# KiCad board motordecoder2-K3057.kicad_pcb (continued)
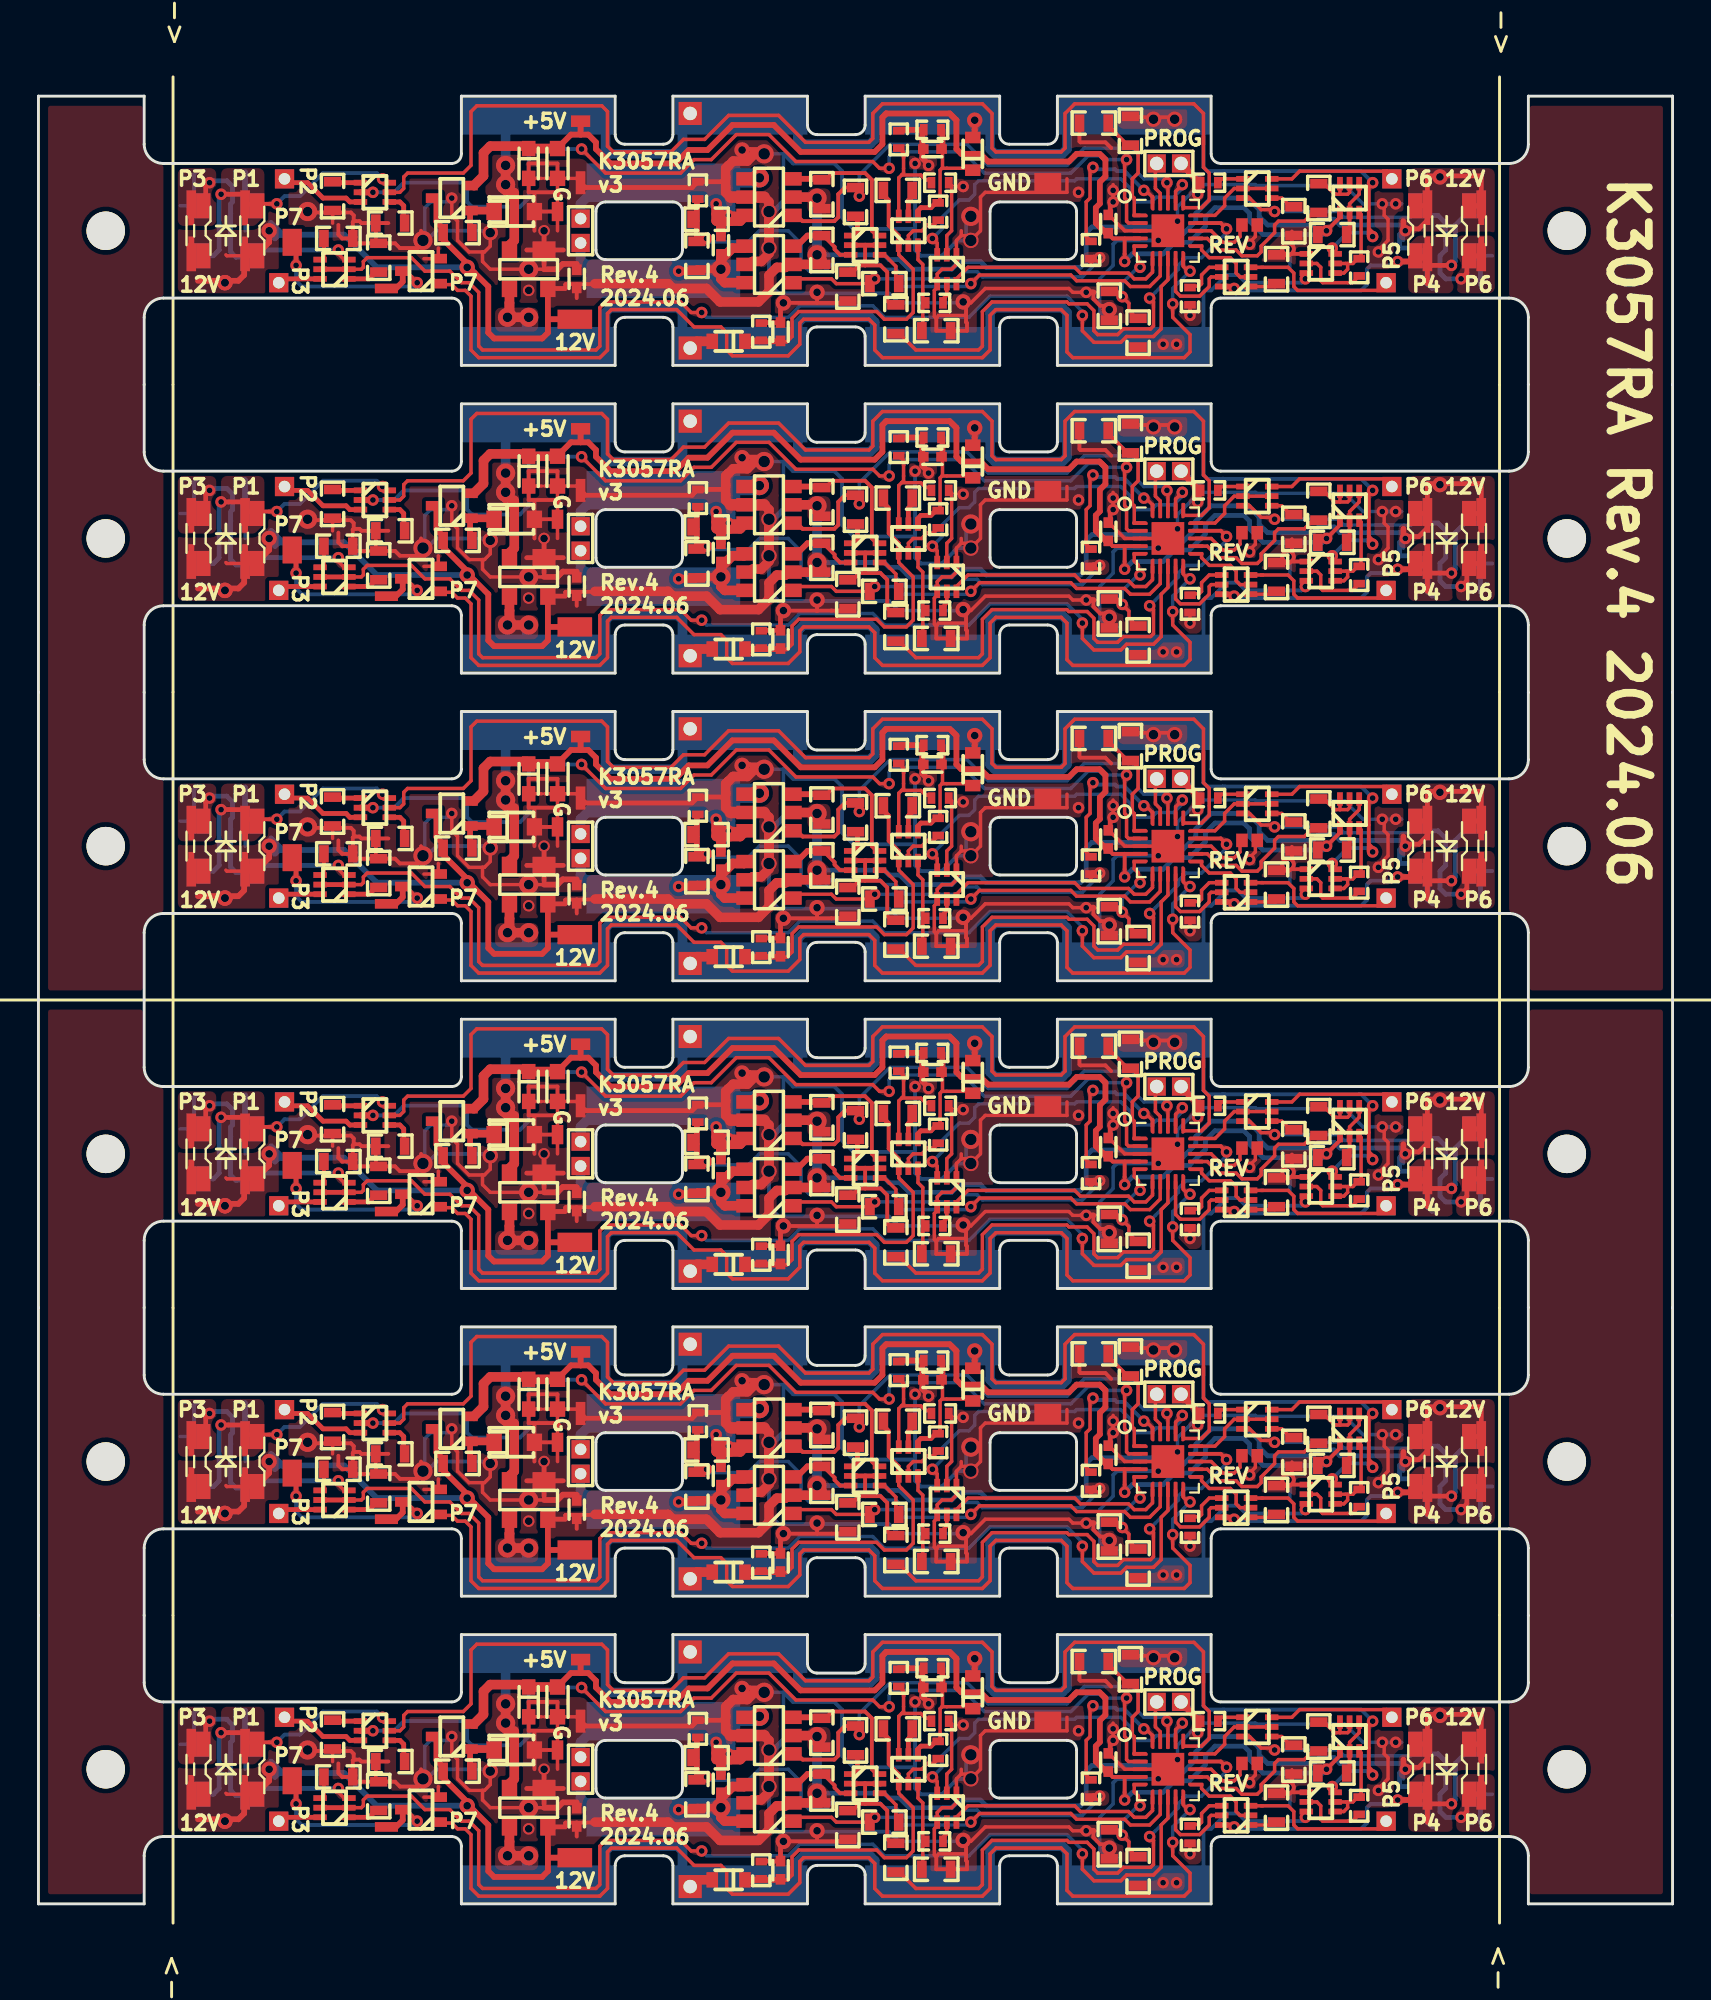
[diagram p0: board, top side]
## Placement (name value [footprint] x y rotation side) (continued)
P80  TEST  [PAD_2mm_2PIN_HOLE0.6]  28.2 39 270 top
P81  TEST  [PAD_1.2x1.2_Hole0.7]  33.9 45.1 0 top
P82  TEST  [PAD_1.2x1.2_Hole0.7]  33.9 32.9 0 top
P83  PAD  [PAD_1.0x1.8_SMD]  27.9 18.4 270 top
P84  PAD  [PAD_0.6x1.0_SMD]  27 24 0 top
P85  PROG  [PAD_PROG_2PIN_HOLE0.7]  58.8 26.5 0 top
P86  PAD  [PAD_0.6x1.0_SMD]  28.2 28.7 90 top
P87  PAD  [PAD_0.5x1.2_SMD]  28.2 25.5 0 top
P88  PAD  [PAD_1.0x1.4_SMD]  52.5 25.5 90 top
P89  PAD  [KATO_RAILPAD_3057_8mm]  26 29 0 top
P90  PAD  [KATO_RAILPAD_3057_7mm]  36.5 29 0 top
P91  PAD  [KATO_RAILPAD_3057_7mm]  46.5 29 0 top
P92  PAD  [KATO_RAILPAD_3057_8mm]  57 29 0 top
P93  PAD  [KATO_RAILPAD_3057_8mm]  26 17 0 top
P94  PAD  [KATO_RAILPAD_3057_7mm]  36.5 17 0 top
P95  PAD  [KATO_RAILPAD_3057_7mm]  46.5 17 0 top
P96  PAD  [KATO_RAILPAD_3057_8mm]  57 17 0 top
P97  PAD  [KATO_RAILPAD_3057_8mm]  32.5 25.5 0 top
P98  PAD  [KATO_RAILPAD_3057_8mm]  32.5 20.5 0 top
P99  TEST  [PAD_2mm_2PIN_HOLE0.6]  28.2 23 270 top
P100  TEST  [PAD_1.2x1.2_Hole0.7]  33.9 29.1 0 top
P101  TEST  [PAD_1.2x1.2_Hole0.7]  33.9 16.9 0 top
P102  PAD  [PAD_1.0x1.8_SMD]  27.9 2.4 270 top
P103  PAD  [PAD_0.6x1.0_SMD]  27 8 0 top
P104  PROG  [PAD_PROG_2PIN_HOLE0.7]  58.8 10.5 0 top
P105  PAD  [PAD_0.6x1.0_SMD]  28.2 12.7 90 top
P106  PAD  [PAD_0.5x1.2_SMD]  28.2 9.5 0 top
P107  PAD  [PAD_1.0x1.4_SMD]  52.5 9.5 90 top
P108  PAD  [KATO_RAILPAD_3057_8mm]  26 13 0 top
P109  PAD  [KATO_RAILPAD_3057_7mm]  36.5 13 0 top
P110  PAD  [KATO_RAILPAD_3057_7mm]  46.5 13 0 top
P111  PAD  [KATO_RAILPAD_3057_8mm]  57 13 0 top
P112  PAD  [KATO_RAILPAD_3057_8mm]  26 1 0 top
P113  PAD  [KATO_RAILPAD_3057_7mm]  36.5 1 0 top
P114  PAD  [KATO_RAILPAD_3057_7mm]  46.5 1 0 top
P115  PAD  [KATO_RAILPAD_3057_8mm]  57 1 0 top
P116  PAD  [KATO_RAILPAD_3057_8mm]  32.5 9.5 0 top
P117  PAD  [KATO_RAILPAD_3057_8mm]  32.5 4.5 0 top
P118  TEST  [PAD_2mm_2PIN_HOLE0.6]  28.2 7 270 top
P119  TEST  [PAD_1.2x1.2_Hole0.7]  33.9 13.1 0 top
P120  TEST  [PAD_1.2x1.2_Hole0.7]  33.9 0.9 0 top
Q1  DMG6601LVT  [SOT-23-6]  38 88.75 90 top
Q2  DMG6601LVT  [SOT-23-6]  38 85.25 90 top
Q3  PMBT3904VS  [SOT-666-nomark]  43 86.25 0 top
Q4  DMG6601LVT  [SOT-23-6]  38 72.75 90 top
Q5  2SC4116  [SC-70_v2]  21.5 88.7 90 top
Q6  PMBT3906VS  [SOT-666-nomark]  68.2 88.7 90 top
Q7  DMG6601LVT  [SOT-23-6]  38 69.25 90 top
Q8  PMBT3904VS  [SOT-666-nomark]  66.7 85.3 0 top
Q9  PMBT3904VS  [SOT-666-nomark]  43 70.25 0 top
Q10  2SC4116  [SC-70_v2]  21.5 72.7 90 top
Q11  SSM6N7002BFE  [SOT-666-nomark]  17.5 89 0 top
Q12  SSM6N7002BFE  [SOT-666-nomark]  62.3 84.6 180 top
Q13  SSM6N7002BFE  [SOT-666-nomark]  15.4 85 180 top
Q14  SSM6N7002BFE  [SOT-666-nomark]  63.4 89.2 0 top
Q15  SSM3K7002BFU  [SC-70_v2]  19.9 84.9 90 top
Q16  PMBT3906VS  [SOT-666-nomark]  68.2 72.7 90 top
Q17  PMBT3904VS  [SOT-666-nomark]  66.7 69.3 0 top
Q18  SSM6N7002BFE  [SOT-666-nomark]  17.5 73 0 top
Q19  SSM6N7002BFE  [SOT-666-nomark]  62.3 68.6 180 top
Q20  SSM6N7002BFE  [SOT-666-nomark]  15.4 69 180 top
Q21  PMBT3906VS  [SOT-666-nomark]  45.25 87 90 top
Q22  SSM6N7002BFE  [SOT-666-nomark]  47.25 85 270 top
Q23  SSM6N7002BFE  [SOT-666-nomark]  63.4 73.2 0 top
Q24  SSM3K7002BFU  [SC-70_v2]  19.9 68.9 90 top
Q25  PMBT3906VS  [SOT-666-nomark]  45.25 71 90 top
Q26  SSM6N7002BFE  [SOT-666-nomark]  47.25 69 270 top
Q27  DMG6601LVT  [SOT-23-6]  38 56.75 90 top
Q28  DMG6601LVT  [SOT-23-6]  38 53.25 90 top
Q29  PMBT3904VS  [SOT-666-nomark]  43 54.25 0 top
Q30  2SC4116  [SC-70_v2]  21.5 56.7 90 top
Q31  PMBT3906VS  [SOT-666-nomark]  68.2 56.7 90 top
Q32  PMBT3904VS  [SOT-666-nomark]  66.7 53.3 0 top
Q33  SSM6N7002BFE  [SOT-666-nomark]  17.5 57 0 top
Q34  SSM6N7002BFE  [SOT-666-nomark]  62.3 52.6 180 top
Q35  SSM6N7002BFE  [SOT-666-nomark]  15.4 53 180 top
Q36  SSM6N7002BFE  [SOT-666-nomark]  63.4 57.2 0 top
Q37  SSM3K7002BFU  [SC-70_v2]  19.9 52.9 90 top
Q38  PMBT3906VS  [SOT-666-nomark]  45.25 55 90 top
Q39  SSM6N7002BFE  [SOT-666-nomark]  47.25 53 270 top
Q40  DMG6601LVT  [SOT-23-6]  38 40.75 90 top
Q41  DMG6601LVT  [SOT-23-6]  38 37.25 90 top
Q42  PMBT3904VS  [SOT-666-nomark]  43 38.25 0 top
Q43  2SC4116  [SC-70_v2]  21.5 40.7 90 top
Q44  PMBT3906VS  [SOT-666-nomark]  68.2 40.7 90 top
Q45  PMBT3904VS  [SOT-666-nomark]  66.7 37.3 0 top
Q46  SSM6N7002BFE  [SOT-666-nomark]  17.5 41 0 top
Q47  SSM6N7002BFE  [SOT-666-nomark]  62.3 36.6 180 top
Q48  SSM6N7002BFE  [SOT-666-nomark]  15.4 37 180 top
Q49  SSM6N7002BFE  [SOT-666-nomark]  63.4 41.2 0 top
Q50  SSM3K7002BFU  [SC-70_v2]  19.9 36.9 90 top
Q51  PMBT3906VS  [SOT-666-nomark]  45.25 39 90 top
Q52  SSM6N7002BFE  [SOT-666-nomark]  47.25 37 270 top
Q53  DMG6601LVT  [SOT-23-6]  38 24.75 90 top
Q54  DMG6601LVT  [SOT-23-6]  38 21.25 90 top
Q55  PMBT3904VS  [SOT-666-nomark]  43 22.25 0 top
Q56  2SC4116  [SC-70_v2]  21.5 24.7 90 top
Q57  PMBT3906VS  [SOT-666-nomark]  68.2 24.7 90 top
Q58  PMBT3904VS  [SOT-666-nomark]  66.7 21.3 0 top
Q59  SSM6N7002BFE  [SOT-666-nomark]  17.5 25 0 top
Q60  SSM6N7002BFE  [SOT-666-nomark]  62.3 20.6 180 top
Q61  SSM6N7002BFE  [SOT-666-nomark]  15.4 21 180 top
Q62  SSM6N7002BFE  [SOT-666-nomark]  63.4 25.2 0 top
Q63  SSM3K7002BFU  [SC-70_v2]  19.9 20.9 90 top
Q64  PMBT3906VS  [SOT-666-nomark]  45.25 23 90 top
Q65  SSM6N7002BFE  [SOT-666-nomark]  47.25 21 270 top
Q66  DMG6601LVT  [SOT-23-6]  38 8.75 90 top
Q67  DMG6601LVT  [SOT-23-6]  38 5.25 90 top
Q68  PMBT3904VS  [SOT-666-nomark]  43 6.25 0 top
Q69  2SC4116  [SC-70_v2]  21.5 8.7 90 top
Q70  PMBT3906VS  [SOT-666-nomark]  68.2 8.7 90 top
Q71  PMBT3904VS  [SOT-666-nomark]  66.7 5.3 0 top
Q72  SSM6N7002BFE  [SOT-666-nomark]  17.5 9 0 top
Q73  SSM6N7002BFE  [SOT-666-nomark]  62.3 4.6 180 top
Q74  SSM6N7002BFE  [SOT-666-nomark]  15.4 5 180 top
Q75  SSM6N7002BFE  [SOT-666-nomark]  63.4 9.2 0 top
Q76  SSM3K7002BFU  [SC-70_v2]  19.9 4.9 90 top
Q77  PMBT3906VS  [SOT-666-nomark]  45.25 7 90 top
Q78  SSM6N7002BFE  [SOT-666-nomark]  47.25 5 270 top
R1  104  [R_1608_20240411]  56.8 92.2 270 top
R2  104  [R_1608_20240411]  57.2 81.7 90 top
R3  102  [R_1608_20240411]  40.75 88.9 90 top
R4  102  [R_1608_20240411]  40.75 86 90 top
R5  331  [R_1608_20240411]  42.5 88.5 90 top
R6  331  [R_1608_20240411]  44 84.25 180 top
R7  102  [R_1608_20240411]  44.6 82.4 90 top
R8  102  [R_1608_20240411]  42.1 84.1 270 top
R9  103  [R_1608_20240411]  34.75 87.6 0 top
R10  103  [R_1608_20240411]  34.25 85.7 270 top
R11  102  [R_1005_20240411]  54.75 86 270 top
R12  472  [R_1608_20240411]  21.8 86.9 0 top
R13  103  [R_1608_20240411]  66.6 88.7 270 top
R14  220  [R_1608_20240411]  67.3 86.8 180 top
R15  682  [R_1005_20240411]  68.7 85.1 270 top
R16  103  [R_1005_20240411]  34.3 89.1 90 top
R17  104  [R_1608_20240411]  54.9 92.6 180 top
R18  104  [R_1608_20240411]  55.7 83.1 270 top
R19  104  [R_1608_20240411]  56.8 76.2 270 top
R20  104  [R_1608_20240411]  57.2 65.7 90 top
R21  151  [R_1608_20240411]  15.3 88.8 270 top
R22  151  [R_1608_20240411]  64.4 85 90 top
R23  472  [R_1005_20240411]  59.9 83.6 270 top
R24  472  [R_1608_20240411]  17.7 85.6 90 top
R25  472  [R_1005_20240411]  60.9 89.5 180 top
R26  472  [R_1608_20240411]  18.3 87.4 180 top
R27  151  [R_1608_20240411]  15.6 86.6 0 top
R28  151  [R_1608_20240411]  65.3 87.5 270 top
R29  102  [R_1608_20240411]  40.75 72.9 90 top
R30  102  [R_1608_20240411]  40.75 70 90 top
R31  102  [R_1005_20240411]  46.8 88 90 top
R32  103  [R_1005_20240411]  46.5 92.25 180 top
R33  472  [R_1005_20240411]  44.75 91.75 90 top
R34  103  [R_1005_20240411]  46.9 89.5 180 top
R35  102  [R_1608_20240411]  44.7 89.1 180 top
R36  103  [R_1005_20240411]  37.6 81.75 90 top
R37  472  [R_1608_20240411]  46.7 81.8 0 top
R38  103  [R_1005_20240411]  46.6 83.25 180 top
R39  331  [R_1608_20240411]  42.5 72.5 90 top
R40  331  [R_1608_20240411]  44 68.25 180 top
R41  102  [R_1608_20240411]  44.6 66.4 90 top
R42  102  [R_1608_20240411]  42.1 68.1 270 top
R43  103  [R_1608_20240411]  34.75 71.6 0 top
R44  103  [R_1608_20240411]  34.25 69.7 270 top
R45  102  [R_1005_20240411]  54.75 70 270 top
R46  472  [R_1608_20240411]  21.8 70.9 0 top
R47  103  [R_1608_20240411]  66.6 72.7 270 top
R48  220  [R_1608_20240411]  67.3 70.8 180 top
R49  682  [R_1005_20240411]  68.7 69.1 270 top
R50  103  [R_1005_20240411]  34.3 73.1 90 top
R51  104  [R_1608_20240411]  54.9 76.6 180 top
R52  104  [R_1608_20240411]  55.7 67.1 270 top
R53  151  [R_1608_20240411]  15.3 72.8 270 top
R54  151  [R_1608_20240411]  64.4 69 90 top
R55  472  [R_1005_20240411]  59.9 67.6 270 top
R56  472  [R_1608_20240411]  17.7 69.6 90 top
R57  472  [R_1005_20240411]  60.9 73.5 180 top
R58  472  [R_1608_20240411]  18.3 71.4 180 top
R59  151  [R_1608_20240411]  15.6 70.6 0 top
R60  151  [R_1608_20240411]  65.3 71.5 270 top
R61  102  [R_1005_20240411]  46.8 72 90 top
R62  103  [R_1005_20240411]  46.5 76.25 180 top
R63  472  [R_1005_20240411]  44.75 75.75 90 top
R64  103  [R_1005_20240411]  46.9 73.5 180 top
R65  102  [R_1608_20240411]  44.7 73.1 180 top
R66  103  [R_1005_20240411]  37.6 65.75 90 top
R67  472  [R_1608_20240411]  46.7 65.8 0 top
R68  103  [R_1005_20240411]  46.6 67.25 180 top
R69  104  [R_1608_20240411]  56.8 60.2 270 top
R70  104  [R_1608_20240411]  57.2 49.7 90 top
R71  102  [R_1608_20240411]  40.75 56.9 90 top
R72  102  [R_1608_20240411]  40.75 54 90 top
R73  331  [R_1608_20240411]  42.5 56.5 90 top
R74  331  [R_1608_20240411]  44 52.25 180 top
R75  102  [R_1608_20240411]  44.6 50.4 90 top
R76  102  [R_1608_20240411]  42.1 52.1 270 top
R77  103  [R_1608_20240411]  34.75 55.6 0 top
R78  103  [R_1608_20240411]  34.25 53.7 270 top
R79  102  [R_1005_20240411]  54.75 54 270 top
R80  472  [R_1608_20240411]  21.8 54.9 0 top
R81  103  [R_1608_20240411]  66.6 56.7 270 top
R82  220  [R_1608_20240411]  67.3 54.8 180 top
R83  682  [R_1005_20240411]  68.7 53.1 270 top
R84  103  [R_1005_20240411]  34.3 57.1 90 top
R85  104  [R_1608_20240411]  54.9 60.6 180 top
R86  104  [R_1608_20240411]  55.7 51.1 270 top
R87  151  [R_1608_20240411]  15.3 56.8 270 top
R88  151  [R_1608_20240411]  64.4 53 90 top
R89  472  [R_1005_20240411]  59.9 51.6 270 top
R90  472  [R_1608_20240411]  17.7 53.6 90 top
R91  472  [R_1005_20240411]  60.9 57.5 180 top
R92  472  [R_1608_20240411]  18.3 55.4 180 top
R93  151  [R_1608_20240411]  15.6 54.6 0 top
R94  151  [R_1608_20240411]  65.3 55.5 270 top
R95  102  [R_1005_20240411]  46.8 56 90 top
R96  103  [R_1005_20240411]  46.5 60.25 180 top
R97  472  [R_1005_20240411]  44.75 59.75 90 top
R98  103  [R_1005_20240411]  46.9 57.5 180 top
R99  102  [R_1608_20240411]  44.7 57.1 180 top
R100  103  [R_1005_20240411]  37.6 49.75 90 top
R101  472  [R_1608_20240411]  46.7 49.8 0 top
R102  103  [R_1005_20240411]  46.6 51.25 180 top
R103  104  [R_1608_20240411]  56.8 44.2 270 top
R104  104  [R_1608_20240411]  57.2 33.7 90 top
R105  102  [R_1608_20240411]  40.75 40.9 90 top
R106  102  [R_1608_20240411]  40.75 38 90 top
R107  331  [R_1608_20240411]  42.5 40.5 90 top
R108  331  [R_1608_20240411]  44 36.25 180 top
R109  102  [R_1608_20240411]  44.6 34.4 90 top
R110  102  [R_1608_20240411]  42.1 36.1 270 top
R111  103  [R_1608_20240411]  34.75 39.6 0 top
R112  103  [R_1608_20240411]  34.25 37.7 270 top
R113  102  [R_1005_20240411]  54.75 38 270 top
R114  472  [R_1608_20240411]  21.8 38.9 0 top
R115  103  [R_1608_20240411]  66.6 40.7 270 top
R116  220  [R_1608_20240411]  67.3 38.8 180 top
R117  682  [R_1005_20240411]  68.7 37.1 270 top
R118  103  [R_1005_20240411]  34.3 41.1 90 top
R119  104  [R_1608_20240411]  54.9 44.6 180 top
R120  104  [R_1608_20240411]  55.7 35.1 270 top
R121  151  [R_1608_20240411]  15.3 40.8 270 top
R122  151  [R_1608_20240411]  64.4 37 90 top
R123  472  [R_1005_20240411]  59.9 35.6 270 top
R124  472  [R_1608_20240411]  17.7 37.6 90 top
R125  472  [R_1005_20240411]  60.9 41.5 180 top
R126  472  [R_1608_20240411]  18.3 39.4 180 top
R127  151  [R_1608_20240411]  15.6 38.6 0 top
R128  151  [R_1608_20240411]  65.3 39.5 270 top
R129  102  [R_1005_20240411]  46.8 40 90 top
R130  103  [R_1005_20240411]  46.5 44.25 180 top
R131  472  [R_1005_20240411]  44.75 43.75 90 top
R132  103  [R_1005_20240411]  46.9 41.5 180 top
R133  102  [R_1608_20240411]  44.7 41.1 180 top
R134  103  [R_1005_20240411]  37.6 33.75 90 top
R135  472  [R_1608_20240411]  46.7 33.8 0 top
R136  103  [R_1005_20240411]  46.6 35.25 180 top
R137  104  [R_1608_20240411]  56.8 28.2 270 top
R138  104  [R_1608_20240411]  57.2 17.7 90 top
R139  102  [R_1608_20240411]  40.75 24.9 90 top
R140  102  [R_1608_20240411]  40.75 22 90 top
R141  331  [R_1608_20240411]  42.5 24.5 90 top
R142  331  [R_1608_20240411]  44 20.25 180 top
R143  102  [R_1608_20240411]  44.6 18.4 90 top
R144  102  [R_1608_20240411]  42.1 20.1 270 top
R145  103  [R_1608_20240411]  34.75 23.6 0 top
R146  103  [R_1608_20240411]  34.25 21.7 270 top
R147  102  [R_1005_20240411]  54.75 22 270 top
R148  472  [R_1608_20240411]  21.8 22.9 0 top
R149  103  [R_1608_20240411]  66.6 24.7 270 top
R150  220  [R_1608_20240411]  67.3 22.8 180 top
R151  682  [R_1005_20240411]  68.7 21.1 270 top
R152  103  [R_1005_20240411]  34.3 25.1 90 top
R153  104  [R_1608_20240411]  54.9 28.6 180 top
R154  104  [R_1608_20240411]  55.7 19.1 270 top
R155  151  [R_1608_20240411]  15.3 24.8 270 top
R156  151  [R_1608_20240411]  64.4 21 90 top
R157  472  [R_1005_20240411]  59.9 19.6 270 top
R158  472  [R_1608_20240411]  17.7 21.6 90 top
R159  472  [R_1005_20240411]  60.9 25.5 180 top
R160  472  [R_1608_20240411]  18.3 23.4 180 top
R161  151  [R_1608_20240411]  15.6 22.6 0 top
R162  151  [R_1608_20240411]  65.3 23.5 270 top
R163  102  [R_1005_20240411]  46.8 24 90 top
R164  103  [R_1005_20240411]  46.5 28.25 180 top
R165  472  [R_1005_20240411]  44.75 27.75 90 top
R166  103  [R_1005_20240411]  46.9 25.5 180 top
R167  102  [R_1608_20240411]  44.7 25.1 180 top
R168  103  [R_1005_20240411]  37.6 17.75 90 top
R169  472  [R_1608_20240411]  46.7 17.8 0 top
R170  103  [R_1005_20240411]  46.6 19.25 180 top
R171  104  [R_1608_20240411]  56.8 12.2 270 top
R172  104  [R_1608_20240411]  57.2 1.7 90 top
R173  102  [R_1608_20240411]  40.75 8.9 90 top
R174  102  [R_1608_20240411]  40.75 6 90 top
R175  331  [R_1608_20240411]  42.5 8.5 90 top
R176  331  [R_1608_20240411]  44 4.25 180 top
R177  102  [R_1608_20240411]  44.6 2.4 90 top
R178  102  [R_1608_20240411]  42.1 4.1 270 top
R179  103  [R_1608_20240411]  34.75 7.6 0 top
R180  103  [R_1608_20240411]  34.25 5.7 270 top
R181  102  [R_1005_20240411]  54.75 6 270 top
R182  472  [R_1608_20240411]  21.8 6.9 0 top
R183  103  [R_1608_20240411]  66.6 8.7 270 top
R184  220  [R_1608_20240411]  67.3 6.8 180 top
R185  682  [R_1005_20240411]  68.7 5.1 270 top
R186  103  [R_1005_20240411]  34.3 9.1 90 top
R187  104  [R_1608_20240411]  54.9 12.6 180 top
R188  104  [R_1608_20240411]  55.7 3.1 270 top
R189  151  [R_1608_20240411]  15.3 8.8 270 top
R190  151  [R_1608_20240411]  64.4 5 90 top
R191  472  [R_1005_20240411]  59.9 3.6 270 top
R192  472  [R_1608_20240411]  17.7 5.6 90 top
R193  472  [R_1005_20240411]  60.9 9.5 180 top
R194  472  [R_1608_20240411]  18.3 7.4 180 top
R195  151  [R_1608_20240411]  15.6 6.6 0 top
R196  151  [R_1608_20240411]  65.3 7.5 270 top
R197  102  [R_1005_20240411]  46.8 8 90 top
R198  103  [R_1005_20240411]  46.5 12.25 180 top
R199  472  [R_1005_20240411]  44.75 11.75 90 top
R200  103  [R_1005_20240411]  46.9 9.5 180 top
R201  102  [R_1608_20240411]  44.7 9.1 180 top
R202  103  [R_1005_20240411]  37.6 1.75 90 top
R203  472  [R_1608_20240411]  46.7 1.8 0 top
R204  103  [R_1005_20240411]  46.6 3.25 180 top
REF**  -  [HOLE_MASK_LOCK]  3.5 87 0 top
REF**1  -  [HOLE_MASK_LOCK]  3.5 71 0 top
REF**2  -  [HOLE_MASK_LOCK]  79.5 71 0 top
REF**3  -  [HOLE_MASK_LOCK]  3.5 55 0 top
REF**4  -  [HOLE_MASK_LOCK]  79.5 55 0 top
REF**5  -  [HOLE_MASK_LOCK]  3.5 39 0 top
REF**6  -  [HOLE_MASK_LOCK]  79.5 39 0 top
REF**7  -  [HOLE_MASK_LOCK]  3.5 23 0 top
REF**8  -  [HOLE_MASK_LOCK]  79.5 23 0 top
REF**9  -  [HOLE_MASK_LOCK]  3.5 7 0 top
REF**10  -  [HOLE_MASK_LOCK]  79.5 7 0 top
REF**#2  -  [HOLE_MASK_LOCK]  79.5 87 0 top
U2  ATtiny1606-M  [VQFN-20-1EP_3x3mm_P0.4mm_EP1.7x1.7mm]  58.75 87 0 top
U3  ATtiny1606-M  [VQFN-20-1EP_3x3mm_P0.4mm_EP1.7x1.7mm]  58.75 71 0 top
U4  ATtiny1606-M  [VQFN-20-1EP_3x3mm_P0.4mm_EP1.7x1.7mm]  58.75 55 0 top
U5  ATtiny1606-M  [VQFN-20-1EP_3x3mm_P0.4mm_EP1.7x1.7mm]  58.75 39 0 top
U6  ATtiny1606-M  [VQFN-20-1EP_3x3mm_P0.4mm_EP1.7x1.7mm]  58.75 23 0 top
U7  ATtiny1606-M  [VQFN-20-1EP_3x3mm_P0.4mm_EP1.7x1.7mm]  58.75 7 0 top

## Library data of the parts
C1-C3 C5-C7 C9-C16 C18-C23 C25-C30 C32-C37 C39-C42 = -: Description: Unpolarized capacitor
D1 D2 D5 D7 D9 D61 = -: Description: Diode bridge, -ve/AC/AC/+ve
D3 D4 D6 D8 D10 D62 = -: Description: Zener diode
D11-D20 D23-D28 D31-D38 D41-D48 D51-D58 D63-D70 = -: Description: Light emitting diode
D21 D22 D29 D30 D39 D40 D49 D50 D59 D60 D71 D72 = -: Description: Diode
J12-J47 P7 P8 P10-P14 P16-P31 P33-P43 P45 P46 P48-P60 P62-P65 P67-P79 P81-P84 P86-P98 P100-P103 P105-P117 P119 P120 = -: Description: Generic connector, single row, 01x01, script generated (kicad-library-utils/schlib/autogen/connector/)
P9 P15 P32 P44 P47 P61 P66 P80 P85 P99 P104 P118 = -: Description: Generic connector, single row, 01x02, script generated (kicad-library-utils/schlib/autogen/connector/)
Q1 Q2 Q4 Q7 Q27 Q28 Q40 Q41 Q53 Q54 Q66 Q67 = -: Description: 30V Vds, 3.8A / 2.5A Id, 55mOhm Rds, Dual N/P-Channel MOSFET, TSOT23-6
Q5 Q10 Q30 Q43 Q56 Q69 = -: Description: NPN transistor, base/emitter/collector
Q15 Q24 Q37 Q50 Q63 Q76 = -: Description: N-MOSFET transistor, gate/source/drain
R1-R204 = -: Description: Resistor
U2-U7 = -: Description: 20MHz, 16kB Flash, 1kB SRAM, 256B EEPROM, VQFN-20

## Footprints (pads in the part's own frame, mm; a bottom-side part is the same pattern mirrored in y, then rotated)
C_1005_v4
  rect 0.55x0.5 smd: 1(-0.475,0) 2(0.475,0)
C_1608_v4
  rect 0.8x0.8 smd: 1(-0.775,0) 2(0.775,0)
CP_1608
  rect 0.8x0.7 smd: 1(-0.775,0) 2(0.775,0)
EMD2_small
  rect 0.6x0.8 smd: 1(0.85,0) 2(-0.85,0)
HOLE_MASK_LOCK
  round 2 hole 2 unplated: (0,0)
KATO_RAILPAD_3057_7mm
  rect 7x2 smd far side: 1(0,0)
KATO_RAILPAD_3057_8mm
  rect 8x2 smd far side: 1(0,0)
LED_1224_1005_SIDE_BIG2
  rect 1.45x0.5 smd: 1(-1.375,0.25) 2(1.375,0.25)
  rect 1.3x0.75 smd: 1(-1.3,0.875) 2(1.3,0.875)
  rect 0.5x0.3 smd: 1(-0.55,0.25) 2(0.55,0.25)
PAD_0.5x1.2_SMD
  rect 0.5x1.2 smd: 1(0,0)
PAD_0.6x1.0_SMD
  rect 0.6x1 smd: 1(0,0)
PAD_1.0x1.0_Hole0.6
  rect 1x1 hole 0.6: 1(0,0)
PAD_1.0x1.4_SMD
  rect 1x1.4 smd: 1(0,0)
PAD_1.0x1.8_SMD
  rect 1x1.8 smd: 1(0,0)
PAD_1.2x1.2_Hole0.7
  rect 1.2x1.2 hole 0.7: 1(0,0)
PAD_2mm_2PIN_HOLE0.6
  rect 0.95x0.95 hole 0.6: 1(-0.635,0) 2(0.635,0)
PAD_PROG_2PIN_HOLE0.7
  rect 0.95x0.95 hole 0.7: 1(-0.635,0) 2(0.635,0)
R_1005_20240411
  rect 0.4x0.6 smd: 1(-0.45,0) 2(0.45,0)
R_1608_20240411
  rect 0.5x0.9 smd: 1(-0.75,0) 2(0.75,0)
SC-70_v2
  rect 0.5x0.8 smd: 1(-0.65,-0.95) 2(0.65,-0.95) 3(0,0.95)
SOLDER_CONN_PAD_0.7mm_1.4mm
  rect 0.6x0.7 smd: 1(-0.4,0) 2(0.4,0)
SOT-23-6
  rect 0.7x1 smd: 1(-0.95,-1.2) 2(0,-1.2) 3(0.95,-1.2) 4(0.95,1.2) 5(0,1.2) 6(-0.95,1.2)
SOT-143
  rect 1.2x0.9 smd: 1(-0.8,-1)
  rect 0.8x0.9 smd: 2(1,-1) 3(1,1) 4(-1,1)
SOT-666-nomark
  rect 0.7x0.3 smd: 1(-0.75,0.5) 2(-0.75,0) 3(-0.75,-0.5) 4(0.75,-0.5) 5(0.75,0) 6(0.75,0.5)
UMD2
  rect 0.8x0.9 smd: 1(1.05,0) 2(-1.05,0)
VQFN-20-1EP_3x3mm_P0.4mm_EP1.7x1.7mm
  rrect 0.69x0.69 smd: (-0.425,0.425) (-0.425,-0.425) (0.425,0.425) (0.425,-0.425)
  custom 0.8x0.2 smd: 1(-1.45,0.8) 5(-1.45,-0.8) 11(1.45,-0.8) 15(1.45,0.8)
  rrect 0.8x0.2 smd: 2(-1.45,0.4) 3(-1.45,0) 4(-1.45,-0.4) 12(1.45,-0.4) 13(1.45,0) 14(1.45,0.4)
  custom 0.2x0.8 smd: 6(-0.8,-1.45) 10(0.8,-1.45) 16(0.8,1.45) 20(-0.8,1.45)
  rrect 0.2x0.8 smd: 7(-0.4,-1.45) 8(0,-1.45) 9(0.4,-1.45) 17(0.4,1.45) 18(0,1.45) 19(-0.4,1.45)
  rect 1.7x1.7 smd: 21(0,0)

## Nets
+5V: C3.1 C4.1 C5.1 C6.1 C8.1 C9.1 C16.1 C17.1 C18.1 C23.1 C24.1 C25.1 C30.1 C31.1 C32.1 C37.1 C38.1 C39.1 P10.1 P16.1 P48.1 P67.1 P86.1 P105.1 Q5.2 Q6.1 Q10.2 Q16.1 Q30.2 Q31.1 Q43.2 Q44.1 Q56.2 Q57.1 Q69.2 Q70.1 R14.2 R48.2 R82.2 R116.2 R150.2 R184.2 U2.4 U3.4 U4.4 U5.4 U6.4 U7.4
+12V: C1.1 C2.1 C15.1 C22.1 C29.1 C36.1 D1.4 D2.4 D5.4 D7.4 D9.4 D11.2 D12.2 D13.2 D14.2 D15.2 D16.2 D17.2 D18.2 D19.2 D20.2 D23.2 D24.2 D25.2 D26.2 D27.2 D28.2 D31.2 D32.2 D33.2 D34.2 D35.2 D36.2 D37.2 D38.2 D41.2 D42.2 D43.2 D44.2 D45.2 D46.2 D47.2 D48.2 D51.2 D52.2 D53.2 D54.2 D55.2 D56.2 D57.2 D58.2 D61.4 D63.2 D64.2 D65.2 D66.2 D67.2 D68.2 D69.2 D70.2 P7.1 P13.1 P19.1 P64.1 P83.1 P102.1 Q1.2 Q2.2 Q4.2 Q5.3 Q7.2 Q10.3 Q27.2 Q28.2 Q30.3 Q40.2 Q41.2 Q43.3 Q53.2 Q54.2 Q56.3 Q66.2 Q67.2 Q69.3 R3.1 R4.1 R12.1 R29.1 R30.1 R46.1 R71.1 R72.1 R80.1 R105.1 R106.1 R114.1 R139.1 R140.1 R148.1 R173.1 R174.1 R182.1
GND: C1.2 C2.2 C3.2 C4.2 C5.2 C6.2 C8.2 C9.2 C11.2 C12.2 C13.2 C14.2 C15.2 C16.2 C17.2 C18.2 C20.2 C21.2 C22.2 C23.2 C24.2 C25.2 C27.2 C28.2 C29.2 C30.2 C31.2 C32.2 C34.2 C35.2 C36.2 C37.2 C38.2 C39.2 C41.2 C42.2 D1.1 D2.1 D3.2 D4.2 D5.1 D6.2 D7.1 D8.2 D9.1 D10.2 D61.1 D62.2 JP1.2 JP2.2 JP3.2 JP4.2 JP5.2 JP6.2 P8.1 P9.2 P11.1 P12.1 P14.1 P15.2 P17.1 P18.1 P20.1 P47.2 P49.1 P50.1 P65.1 P66.2 P68.1 P69.1 P84.1 P85.2 P87.1 P88.1 P103.1 P104.2 P106.1 P107.1 Q1.5 Q2.5 Q4.5 Q7.5 Q8.1 Q15.2 Q17.1 Q22.1 Q22.4 Q24.2 Q26.1 Q26.4 Q27.5 Q28.5 Q32.1 Q37.2 Q39.1 Q39.4 Q40.5 Q41.5 Q45.1 Q50.2 Q52.1 Q52.4 Q53.5 Q54.5 Q58.1 Q63.2 Q65.1 Q65.4 Q66.5 Q67.5 Q71.1 Q76.2 Q78.1 Q78.4 R8.2 R16.2 R17.2 R18.2 R21.2 R22.2 R23.2 R24.2 R25.2 R26.2 R27.2 R28.2 R32.2 R33.2 R36.2 R37.2 R42.2 R50.2 R51.2 R52.2 R53.2 R54.2 R55.2 R56.2 R57.2 R58.2 R59.2 R60.2 R62.2 R63.2 R66.2 R67.2 R76.2 R84.2 R85.2 R86.2 R87.2 R88.2 R89.2 R90.2 R91.2 R92.2 R93.2 R94.2 R96.2 R97.2 R100.2 R101.2 R110.2 R118.2 R119.2 R120.2 R121.2 R122.2 R123.2 R124.2 R125.2 R126.2 R127.2 R128.2 R130.2 R131.2 R134.2 R135.2 R144.2 R152.2 R153.2 R154.2 R155.2 R156.2 R157.2 R158.2 R159.2 R160.2 R161.2 R162.2 R164.2 R165.2 R168.2 R169.2 R178.2 R186.2 R187.2 R188.2 R189.2 R190.2 R191.2 R192.2 R193.2 R194.2 R195.2 R196.2 R198.2 R199.2 R202.2 R203.2 U2.3 U2.21 U3.3 U3.21 U4.3 U4.21 U5.3 U5.21 U6.3 U6.21 U7.3 U7.21
ABC+: Q22.6 Q26.6 Q39.6 Q52.6 Q65.6 Q78.6 U2.6 U3.6 U4.6 U5.6 U6.6 U7.6
ABC-: Q22.3 Q26.3 Q39.3 Q52.3 Q65.3 Q78.3 U2.17 U3.17 U4.17 U5.17 U6.17 U7.17
BEMF: R11.1 R45.1 R79.1 R113.1 R147.1 R181.1 U2.20 U3.20 U4.20 U5.20 U6.20 U7.20
DIR_JP: JP1.1 JP2.1 JP3.1 JP4.1 JP5.1 JP6.1 U2.13 U3.13 U4.13 U5.13 U6.13 U7.13
Func1: Q11.2 Q18.2 Q33.2 Q46.2 Q59.2 Q72.2 U2.2 U3.2 U4.2 U5.2 U6.2 U7.2
Func2: Q11.5 Q18.5 Q33.5 Q46.5 Q59.5 Q72.5 U2.16 U3.16 U4.16 U5.16 U6.16 U7.16
Func3: Q13.2 Q13.5 Q20.2 Q20.5 Q35.2 Q35.5 Q48.2 Q48.5 Q61.2 Q61.5 Q74.2 Q74.5 U2.8 U3.8 U4.8 U5.8 U6.8 U7.8
Func4: Q12.2 Q19.2 Q34.2 Q47.2 Q60.2 Q73.2 U2.11 U3.11 U4.11 U5.11 U6.11 U7.11
Func5: Q12.5 Q19.5 Q34.5 Q47.5 Q60.5 Q73.5 U2.9 U3.9 U4.9 U5.9 U6.9 U7.9
Func6: Q14.2 Q14.5 Q23.2 Q23.5 Q36.2 Q36.5 Q49.2 Q49.5 Q62.2 Q62.5 Q75.2 Q75.5 U2.15 U3.15 U4.15 U5.15 U6.15 U7.15
Func7: Q15.1 Q24.1 Q37.1 Q50.1 Q63.1 Q76.1 U2.10 U3.10 U4.10 U5.10 U6.10 U7.10
FWD: Q2.1 Q7.1 Q28.1 Q41.1 Q54.1 Q67.1 R6.2 R40.2 R74.2 R108.2 R142.2 R176.2 U2.7 U3.7 U4.7 U5.7 U6.7 U7.7
MOTOR+: C7.1 C10.1 C19.1 C26.1 C33.1 C40.1 P29.1 P32.1 P42.1 P44.1 P59.1 P61.1 P78.1 P80.1 P97.1 P99.1 P116.1 P118.1 Q1.4 Q1.6 Q4.4 Q4.6 Q27.4 Q27.6 Q40.4 Q40.6 Q53.4 Q53.6 Q66.4 Q66.6 R9.2 R43.2 R77.2 R111.2 R145.2 R179.2